# KiCad board CPU2908C3.kicad_pcb (continued)
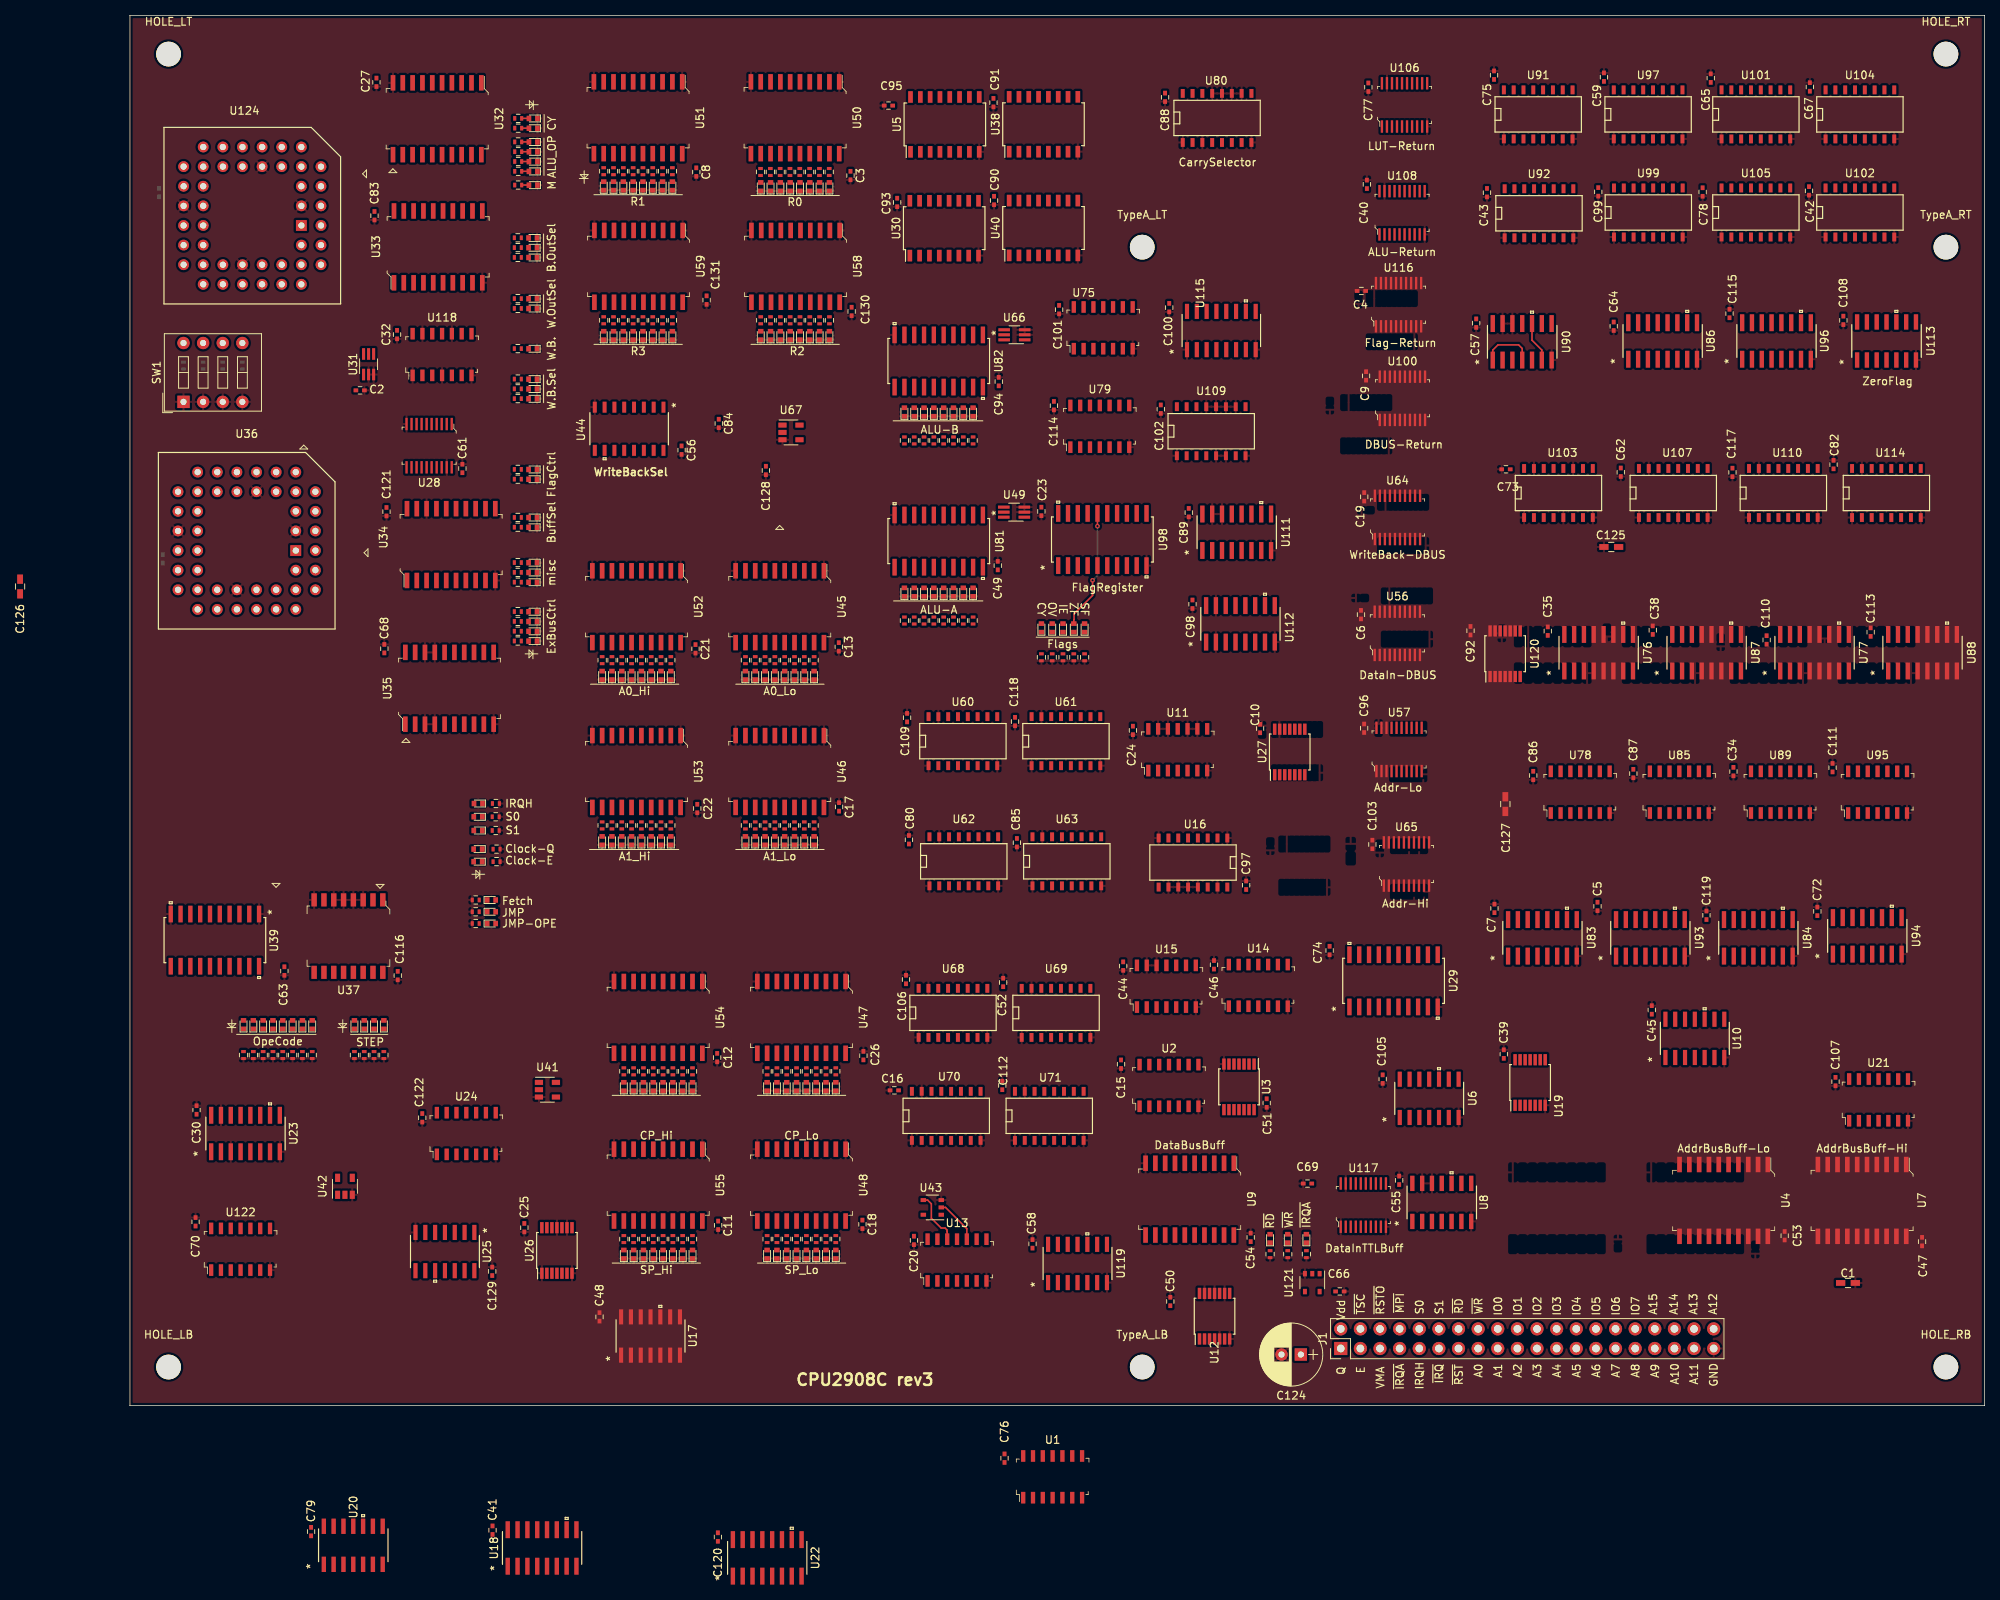
[diagram p0: board, top side]
## Nets (continued)
/Executer/WRO9: U65.3 U68.9 U89.5
/Executer/WRO10: U65.4 U69.7 U89.10
/Executer/WRO11: U65.5 U69.9 U89.13
/Executer/WRO12: U65.6 U70.7 U95.2
/Executer/WRO13: U65.7 U70.9 U95.5
/Executer/WRO14: U65.8 U71.7 U95.10
/Executer/WRO15: U65.9 U71.9 U95.13
/Executer/~{A-Active}: U66.4 U82.1
/Executer/~{B-Active}: U49.4 U81.1
/IO0: J1.18 U9.12 U117.2
/IO1: J1.20 U9.13 U117.3
/IO2: J1.22 U9.14 U117.4
/IO3: J1.24 U9.15 U117.5
/IO4: J1.26 U9.16 U117.6
/IO5: J1.28 U9.17 U117.7
/IO6: J1.30 U9.18 U117.8
/IO7: J1.32 U9.19 U117.9
/IRQH: J1.9 U10.5 U14.2
/nE: U3.2 U25.3 U29.11 U32.11 U33.11 U34.11 U35.11 U44.4
/nQ: U3.6 U21.2 U98.11
/Q: D160.2 U2.6 U25.11 U44.5 U81.11 U82.11
/S0: J1.10 S0.2 U13.1 U14.4 U17.9 U22.3 U122.1
/S1: J1.12 S1.2 U13.5 U14.5 U17.5 U22.6
/Sequencer/BROM/A0: D148.2 U36.24 U37.14 U124.24
/Sequencer/BROM/A1: D149.2 U36.25 U37.13 U124.25
/Sequencer/BROM/A2: D150.2 U36.26 U37.12 U124.26
/Sequencer/BROM/A3: D151.2 U36.27 U37.11 U124.27
/Sequencer/BROM/A4: D152.2 U36.28 U39.19 U124.28
/Sequencer/BROM/A5: D153.2 U36.29 U39.18 U124.29
/Sequencer/BROM/A6: D154.2 U36.30 U39.17 U124.30
/Sequencer/BROM/A7: D155.2 U36.31 U39.16 U124.31
/Sequencer/BROM/A8: D156.2 U36.32 U39.15 U124.32
/Sequencer/BROM/A9: D157.2 U36.35 U39.14 U124.35
/Sequencer/BROM/A10: D158.2 U36.36 U39.13 U124.36
/Sequencer/BROM/A11: D159.2 U36.37 U39.12 U124.37
/Sequencer/BROM/A12: R150.2 SW1.8 U36.38 U124.38
/Sequencer/BROM/A13: R149.2 SW1.7 U36.39 U124.39
/Sequencer/BROM/A14: R148.2 SW1.6 U36.40 U124.40
/Sequencer/BROM/A15: R129.2 SW1.5 U36.41 U124.41
/Sequencer/BROM/load: U25.9 U37.9 U39.11
/Sequencer/BROM/update: U24.8 U37.2
/Sequencer/CY: D28.2 U16.6 U80.6 U98.2 U116.2
/Sequencer/D0: U32.3 U124.21
/Sequencer/D1: U32.4 U124.20
/Sequencer/D2: U32.7 U124.19
/Sequencer/D3: U32.8 U124.18
/Sequencer/D4: U32.13 U124.17
/Sequencer/D5: U32.14 U124.16
/Sequencer/D6: U32.17 U124.15
/Sequencer/D7: U32.18 U124.14
/Sequencer/D8: U33.3 U124.11
/Sequencer/D9: U33.4 U124.10
/Sequencer/D10: U28.2 U33.7 U124.9
/Sequencer/D11: U28.3 U33.8 U124.8
/Sequencer/D12: U28.4 U118.9 U124.7
/Sequencer/D13: U28.5 U33.14 U124.6
/Sequencer/D14: U28.6 U33.17 U124.5
/Sequencer/D15: U28.7 U33.18 U124.4
/Sequencer/D16: U28.8 U34.3 U36.21
/Sequencer/D17: U28.9 U36.20 U118.12
/Sequencer/D18: U34.7 U36.19
/Sequencer/D19: U34.8 U36.18
/Sequencer/D20: U34.13 U36.17
/Sequencer/D21: U34.14 U36.16
/Sequencer/D22: U34.17 U36.15
/Sequencer/D23: U36.14 U118.5
/Sequencer/D23B: U19.13 U24.13 U29.1 U31.6 U118.6
/Sequencer/D24: U36.11
/Sequencer/D25: U36.10
/Sequencer/D26: U35.7 U36.9
/Sequencer/D27: U35.8 U36.8
/Sequencer/D28: U35.13 U36.7
/Sequencer/D29: U35.14 U36.6
/Sequencer/D30: U36.5
/Sequencer/D31: U36.4 U118.2
/Sequencer/D31B: D185.2 U25.2 U25.12 U118.3
/Sequencer/DO0: U28.18 U29.19 U56.2
/Sequencer/DO1: U28.17 U29.18 U56.3
/Sequencer/DO2: U28.16 U29.17 U56.4
/Sequencer/DO3: U28.15 U29.16 U56.5
/Sequencer/DO4: U28.14 U29.15 U56.6
/Sequencer/DO5: U28.13 U29.14 U56.7
/Sequencer/DO6: U28.12 U29.13 U56.8
/Sequencer/DO7: U28.11 U29.12 U56.9
/Sequencer/DO_JUMP: D182.2 U15.8 U26.3
/Sequencer/FlagIn3: D29.2 U11.1 U16.5 U98.9 U116.5
/Sequencer/FlagIn6: D31.2 U15.2 U16.4 U98.16 U116.8
/Sequencer/FlagIn7: D32.2 U11.2 U16.3 U98.19 U116.9
/Sequencer/JG: U20.10 U41.4
/Sequencer/JL: U11.3 U15.1 U20.4
/Sequencer/JUMP_OP: D183.2 U13.11 U18.1
/Sequencer/OP4: U18.4 U23.2
/Sequencer/OP5: U18.7 U23.5
/Sequencer/OP6: U18.12 U23.14
/Sequencer/OP7: U18.9 U23.11
/Sequencer/OpeCode0: U22.4 U39.2
/Sequencer/OpeCode1: U22.7 U39.3
/Sequencer/OpeCode2: U22.12 U39.4
/Sequencer/OpeCode3: U22.9 U39.5
/Sequencer/OpeCode4: U23.4 U39.6
/Sequencer/OpeCode5: U23.7 U39.7
/Sequencer/OpeCode6: U23.12 U39.8
/Sequencer/OpeCode7: U23.9 U39.9
/Sequencer/RegCtrl20: R21.2 U34.12
/TSC: U3.4 U4.1 U7.1 U8.1 U8.4 U8.10
/VMA: J1.5 U121.4
/~{clkQ}: U6.3
/~{IRQA}: J1.7 U8.3
/~{IRQ}: J1.11 U10.2
/~{RD}: J1.14 U8.8
/~{Reset}: J1.13 U1.13 U6.1 U6.13 U17.1 U17.13 U21.1 U25.10 U32.1 U33.1 U34.1 U35.1 U119.1 U119.13
/~{TSC}: J1.4 U1.12
/~{WR}: J1.16 U8.6
Net-(D1-Pad2): D1.2 R1.1
Net-(D2-Pad2): D2.2 R2.1
Net-(D3-Pad2): D3.2 R3.1
Net-(D4-Pad2): D4.2 R4.1
Net-(D5-Pad2): D5.2 R5.1
Net-(D6-Pad2): D6.2 R6.1
Net-(D7-Pad2): D7.2 R7.1
Net-(D8-Pad2): D8.2 R8.1
Net-(D9-Pad2): D9.2 R9.1
Net-(D10-Pad2): D10.2 R10.1
Net-(D11-Pad2): D11.2 R11.1
Net-(D12-Pad2): D12.2 R12.1
Net-(D13-Pad2): D13.2 R13.1
Net-(D14-Pad2): D14.2 R14.1
Net-(D15-Pad2): D15.2 R15.1
Net-(D16-Pad2): D16.2 R16.1
Net-(D17-Pad2): D17.2 R17.1
Net-(D18-Pad2): D18.2 R18.1
Net-(D19-Pad2): D19.2 R19.1
Net-(D20-Pad2): D20.2 R20.1
Net-(D21-Pad2): D21.2 R21.1
Net-(D22-Pad2): D22.2 R22.1
Net-(D23-Pad2): D23.2 R23.1
Net-(D24-Pad2): D24.2 R24.1
Net-(D25-Pad2): D25.2 R25.1
Net-(D26-Pad2): D26.2 R26.1
Net-(D27-Pad2): D27.2 R27.1
Net-(D28-Pad1): D28.1 R28.2
Net-(D29-Pad1): D29.1 R29.2
Net-(D30-Pad1): D30.1 R30.2
Net-(D31-Pad1): D31.1 R31.2
Net-(D32-Pad1): D32.1 R32.2
Net-(D33-Pad2): D33.2 R33.1
Net-(D34-Pad2): D34.2 R34.1
Net-(D35-Pad2): D35.2 R35.1
Net-(D36-Pad2): D36.2 R36.1
Net-(D37-Pad2): D37.2 R37.1
Net-(D38-Pad2): D38.2 R38.1
Net-(D39-Pad2): D39.2 R39.1
Net-(D40-Pad2): D40.2 R40.1
Net-(D41-Pad2): D41.2 R41.1
Net-(D42-Pad2): D42.2 R42.1
Net-(D43-Pad2): D43.2 R43.1
Net-(D44-Pad2): D44.2 R44.1
Net-(D45-Pad2): D45.2 R45.1
Net-(D46-Pad2): D46.2 R46.1
Net-(D47-Pad2): D47.2 R47.1
Net-(D48-Pad2): D48.2 R48.1
Net-(D49-Pad2): D49.2 R49.1
Net-(D50-Pad2): D50.2 R50.1
Net-(D51-Pad2): D51.2 R51.1
Net-(D52-Pad2): D52.2 R52.1
Net-(D53-Pad2): D53.2 R53.1
Net-(D54-Pad2): D54.2 R54.1
Net-(D55-Pad2): D55.2 R55.1
Net-(D56-Pad2): D56.2 R56.1
Net-(D57-Pad2): D57.2 R57.1
Net-(D58-Pad2): D58.2 R58.1
Net-(D59-Pad2): D59.2 R59.1
Net-(D60-Pad2): D60.2 R60.1
Net-(D61-Pad2): D61.2 R61.1
Net-(D62-Pad2): D62.2 R62.1
Net-(D63-Pad2): D63.2 R63.1
Net-(D64-Pad2): D64.2 R64.1
Net-(D65-Pad2): D65.2 R65.1
Net-(D66-Pad2): D66.2 R66.1
Net-(D67-Pad2): D67.2 R67.1
Net-(D68-Pad2): D68.2 R68.1
Net-(D69-Pad2): D69.2 R69.1
Net-(D70-Pad2): D70.2 R70.1
Net-(D71-Pad2): D71.2 R71.1
Net-(D72-Pad2): D72.2 R72.1
Net-(D73-Pad2): D73.2 R73.1
Net-(D74-Pad2): D74.2 R74.1
Net-(D75-Pad2): D75.2 R75.1
Net-(D76-Pad2): D76.2 R76.1
Net-(D77-Pad2): D77.2 R77.1
Net-(D78-Pad2): D78.2 R78.1
Net-(D79-Pad2): D79.2 R79.1
Net-(D80-Pad2): D80.2 R80.1
Net-(D81-Pad2): D81.2 R81.1
Net-(D82-Pad2): D82.2 R82.1
Net-(D83-Pad2): D83.2 R83.1
Net-(D84-Pad2): D84.2 R84.1
Net-(D85-Pad2): D85.2 R85.1
Net-(D86-Pad2): D86.2 R86.1
Net-(D87-Pad2): D87.2 R87.1
Net-(D88-Pad2): D88.2 R88.1
Net-(D89-Pad2): D89.2 R89.1
Net-(D90-Pad2): D90.2 R90.1
Net-(D91-Pad2): D91.2 R91.1
Net-(D92-Pad2): D92.2 R92.1
Net-(D93-Pad2): D93.2 R93.1
Net-(D94-Pad2): D94.2 R94.1
Net-(D95-Pad2): D95.2 R95.1
Net-(D96-Pad2): D96.2 R96.1
Net-(D97-Pad2): D97.2 R97.1
Net-(D98-Pad2): D98.2 R98.1
Net-(D99-Pad2): D99.2 R99.1
Net-(D100-Pad2): D100.2 R100.1
Net-(D101-Pad2): D101.2 R101.1
Net-(D102-Pad2): D102.2 R102.1
Net-(D103-Pad2): D103.2 R103.1
Net-(D104-Pad2): D104.2 R104.1
Net-(D105-Pad2): D105.2 R105.1
Net-(D106-Pad2): D106.2 R106.1
Net-(D107-Pad2): D107.2 R107.1
Net-(D108-Pad2): D108.2 R108.1
Net-(D109-Pad2): D109.2 R109.1
Net-(D110-Pad2): D110.2 R110.1
Net-(D111-Pad2): D111.2 R111.1
Net-(D112-Pad2): D112.2 R112.1
Net-(D113-Pad2): D113.2 R113.1
Net-(D114-Pad2): D114.2 R114.1
Net-(D115-Pad2): D115.2 R115.1
Net-(D116-Pad2): D116.2 R116.1
Net-(D117-Pad2): D117.2 R117.1
Net-(D118-Pad2): D118.2 R118.1
Net-(D119-Pad2): D119.2 R119.1
Net-(D120-Pad2): D120.2 R120.1
Net-(D121-Pad2): D121.2 R121.1
Net-(D122-Pad2): D122.2 R122.1
Net-(D123-Pad2): D123.2 R123.1
Net-(D124-Pad2): D124.2 R124.1
Net-(D125-Pad2): D125.2 R125.1
Net-(D126-Pad2): D126.2 R126.1
Net-(D127-Pad2): D127.2 R127.1
Net-(D128-Pad2): D128.2 R128.1
Net-(D129-Pad2): D129.2 R130.1
Net-(D130-Pad2): D130.2 R131.1
Net-(D131-Pad2): D131.2 R132.1
Net-(D132-Pad2): D132.2 R133.1
Net-(D133-Pad2): D133.2 R134.1
Net-(D134-Pad2): D134.2 R135.1
Net-(D135-Pad2): D135.2 R136.1
Net-(D136-Pad2): D136.2 R137.1
Net-(D137-Pad2): D137.2 R138.1
Net-(D138-Pad2): D138.2 R139.1
Net-(D139-Pad2): D139.2 R140.1
Net-(D140-Pad2): D140.2 R141.1
Net-(D141-Pad2): D141.2 R142.1
Net-(D142-Pad2): D142.2 R143.1
Net-(D143-Pad2): D143.2 R144.1
Net-(D144-Pad2): D144.2 R145.1
Net-(D145-Pad1): D145.1 R172.2
Net-(D145-Pad2): D145.2 U6.8 U8.2
Net-(D146-Pad1): D146.1 R173.2
Net-(D146-Pad2): D146.2 U8.5 U119.6
Net-(D147-Pad1): D147.1 R174.2
Net-(D147-Pad2): D147.2 U8.9 U119.8
Net-(D148-Pad1): D148.1 R175.2
Net-(D149-Pad1): D149.1 R176.2
Net-(D150-Pad1): D150.1 R177.2
Net-(D151-Pad1): D151.1 R178.2
Net-(D152-Pad1): D152.1 R179.2
Net-(D153-Pad1): D153.1 R180.2
Net-(D154-Pad1): D154.1 R181.2
Net-(D155-Pad1): D155.1 R182.2
Net-(D156-Pad1): D156.1 R183.2
Net-(D157-Pad1): D157.1 R184.2
Net-(D158-Pad1): D158.1 R185.2
Net-(D159-Pad1): D159.1 R186.2
Net-(D160-Pad1): D160.1 R146.2
Net-(D161-Pad1): D161.1 R147.2
Net-(D182-Pad1): D182.1 R187.2
Net-(D183-Pad1): D183.1 R188.2
Net-(D184-Pad1): D184.1 R189.2
Net-(D184-Pad2): D184.2 U17.3 U17.11 U25.6
Net-(D185-Pad1): D185.1 R190.2
Net-(J1-Pad6): J1.6
Net-(J1-Pad8): J1.8
Net-(R170-Pad2): R170.2 S0.1
Net-(R171-Pad2): R171.2 S1.1
Net-(U1-Pad3): U1.3 U6.12
Net-(U1-Pad5): U1.5 U3.10
Net-(U1-Pad6): U1.6 U6.2 U119.2
Net-(U1-Pad8): U1.8 U119.12
Net-(U1-Pad9): U1.9 U3.8
Net-(U1-Pad11): U1.11 U3.3
Net-(U2-Pad8): U2.8 U4.11 U7.11
Net-(U2-Pad11): U2.11 U9.11
Net-(U3-Pad12): U3.12
Net-(U6-Pad5): U6.5
Net-(U6-Pad9): U6.9
Net-(U8-Pad11): U8.11
Net-(U10-Pad1): U10.1 U12.2
Net-(U10-Pad6): U10.6
Net-(U10-Pad8): U10.8
Net-(U10-Pad9): U10.9
Net-(U11-Pad4): U11.4 U16.7
Net-(U11-Pad5): U11.5 U19.2
Net-(U11-Pad6): U11.6 U13.9
Net-(U11-Pad8): U11.8
Net-(U11-Pad11): U11.11
Net-(U12-Pad1): U12.1 U13.6
Net-(U12-Pad3): U12.3 U14.6 U24.2
Net-(U12-Pad4): U12.4 U17.12
Net-(U12-Pad6): U12.6
Net-(U12-Pad8): U12.8
Net-(U12-Pad10): U12.10
Net-(U12-Pad12): U12.12
Net-(U13-Pad2): U13.2 U17.6 U24.4
Net-(U13-Pad3): U13.3 U24.1
Net-(U13-Pad4): U13.4 U17.8 U24.5
Net-(U13-Pad8): U13.8 U15.9
Net-(U13-Pad10): U13.10 U19.4 U43.2
Net-(U13-Pad12): U13.12 U43.4
Net-(U13-Pad13): U13.13 U14.8
Net-(U14-Pad9): U14.9 U19.6
Net-(U15-Pad3): U15.3 U41.2
Net-(U15-Pad4): U15.4 U20.6
Net-(U15-Pad5): U15.5 U20.8
Net-(U15-Pad10): U15.6 U15.10
Net-(U15-Pad11): U15.11
Net-(U16-Pad9): U16.9
Net-(U17-Pad2): U17.2 U24.3
Net-(U18-Pad3): U18.3 U26.4
Net-(U19-Pad12): U19.12 U28.1
Net-(U20-Pad1): U20.1 U26.6
Net-(U20-Pad2): U20.2 U26.12
Net-(U20-Pad11): U20.11 U42.4
Net-(U20-Pad12): U20.3 U20.9 U20.12 U43.1
Net-(U21-Pad3): U21.3 U24.9 U25.1
Net-(U22-Pad1): U22.1 U23.1 U24.6
Net-(U24-Pad11): U24.11 U34.4
Net-(U25-Pad5): U25.5
Net-(U25-Pad8): U25.8
Net-(U26-Pad2): U26.2
Net-(U26-Pad8): U26.8
Net-(U26-Pad10): U26.10
Net-(U27-Pad2): U27.2 U78.1 U78.4 U78.9 U78.12 U85.1 U85.4 U85.9 U85.12
Net-(U27-Pad3): U27.3 U79.6
Net-(U27-Pad4): U27.4 U75.9 U75.13
Net-(U27-Pad10): U27.10 U79.12
Net-(U27-Pad12): U27.12 U89.1 U89.4 U89.9 U89.12 U95.1 U95.4 U95.9 U95.12
Net-(U31-Pad4): U31.4 U33.13
Net-(U34-Pad19): U34.19
Net-(U35-Pad2): U35.2
Net-(U35-Pad5): U35.5
Net-(U35-Pad16): U35.16
Net-(U35-Pad19): U35.19
Net-(U36-Pad1): U36.1
Net-(U36-Pad2): U36.2
Net-(U36-Pad13): U36.13
Net-(U36-Pad23): U36.23
Net-(U36-Pad33): U36.33
Net-(U36-Pad42): U36.42
Net-(U37-Pad15): U37.15
Net-(U75-Pad3): U75.3 U77.1 U88.1
Net-(U75-Pad6): U75.6 U79.1
Net-(U76-Pad4): U76.4 U83.5
Net-(U76-Pad7): U76.7 U83.3
Net-(U76-Pad9): U76.9 U83.12
Net-(U76-Pad12): U76.12 U83.14
Net-(U77-Pad4): U77.4 U84.5
Net-(U77-Pad7): U77.7 U84.3
Net-(U77-Pad9): U77.9 U84.12
Net-(U77-Pad12): U77.12 U84.14
Net-(U79-Pad9): U79.9 U90.8
Net-(U79-Pad10): U79.10 U90.3
Net-(U80-Pad9): U80.9
Net-(U83-Pad9): U83.9 U93.7
Net-(U84-Pad7): U84.7 U93.9
Net-(U84-Pad9): U84.9 U94.7
Net-(U86-Pad7): U86.7 U96.9
Net-(U87-Pad4): U87.4 U93.5
Net-(U87-Pad7): U87.7 U93.3
Net-(U87-Pad9): U87.9 U93.12
Net-(U87-Pad12): U87.12 U93.14
Net-(U88-Pad4): U88.4 U94.5
Net-(U88-Pad7): U88.7 U94.3
Net-(U88-Pad9): U88.9 U94.12
Net-(U88-Pad12): U88.12 U94.14
Net-(U90-Pad10): U90.6 U90.10
Net-(U90-Pad11): U90.11
Net-(U91-Pad9): U91.9
Net-(U92-Pad9): U92.9
Net-(U94-Pad9): U94.9
Net-(U97-Pad9): U97.9
Net-(U99-Pad9): U99.9
Net-(U100-Pad1): U100.1 U115.4
Net-(U101-Pad9): U101.9
Net-(U102-Pad9): U102.9
Net-(U103-Pad2): U75.11 U79.13 U103.2 U107.2 U110.2 U114.2
Net-(U103-Pad14): U27.11 U75.8 U103.14 U107.14 U110.14 U114.14
Net-(U104-Pad9): U104.9
Net-(U105-Pad9): U105.9
Net-(U106-Pad1): U106.1 U115.5
Net-(U108-Pad1): U108.1 U115.6
Net-(U109-Pad4): U86.9 U109.4
Net-(U109-Pad9): U109.9
Net-(U109-Pad14): U79.11 U109.14
Net-(U111-Pad4): U98.3 U111.4
Net-(U111-Pad7): U98.4 U111.7
Net-(U111-Pad9): U98.8 U111.9
Net-(U111-Pad12): U98.7 U111.12
Net-(U112-Pad4): U98.13 U112.4
Net-(U112-Pad7): U98.14 U112.7
Net-(U112-Pad9): U98.18 U112.9
Net-(U112-Pad12): U98.17 U112.12
Net-(U113-Pad1): U113.1
Net-(U113-Pad6): U113.6
Net-(U113-Pad8): U113.8
Net-(U115-Pad7): U115.7 U116.1
Net-(U115-Pad9): U64.1 U115.9
Net-(U115-Pad10): U56.1 U115.10
Net-(U115-Pad11): U65.1 U115.11
Net-(U115-Pad12): U57.1 U115.12
Net-(U118-Pad8): U31.1 U118.8
Net-(U118-Pad11): U24.12 U118.11
Net-(U119-Pad5): U119.5
Net-(U119-Pad9): U119.9
Net-(U120-Pad1): U79.3 U120.1 U120.3
Net-(U120-Pad6): U120.6
Net-(U120-Pad8): U120.8
Net-(U120-Pad10): U120.10
Net-(U120-Pad12): U75.4 U120.12
Net-(U122-Pad2): U122.2
Net-(U122-Pad3): U122.3
Net-(U124-Pad1): U124.1
Net-(U124-Pad2): U124.2
Net-(U124-Pad13): U124.13
Net-(U124-Pad23): U124.23
Net-(U124-Pad33): U124.33
Net-(U124-Pad42): U124.42

Pads without a net: U14 3 11; U19 8 9 10 11; U21 4 5 6 8 9 10 11 12 13; U27 5 6 8 9; U41 1; U42 1; U67 1; U122 4 5 6 8 9 10 11 12 13

## Via types
v1: diameter 0.6, hole 0.3, Top to Bottom, 2 vias

## Routing (per net, layer and track width the routed paths; a pad name or vN(x,y) marks a point on that pad's centre or on a via; arc(x,y) is an arc through that point)
/Executer/ALU_A7: length 7.1
  Top w0.2: U90.4 180.17,136.88 179.71,137.35 177.03,137.35 176.36,136.67 U90.1
/Sequencer/FlagIn6: length 15.5
  Top w0.2: D31.2 122.14,101.75 122.18,101.79 122.18,102.5 124.57,104.9 v1(124.57,106.86) ; U98.16 v1(125.2,113.87)
  Bottom w0.2: v1(124.57,106.86) 125.2,107.49 v1(125.2,113.87)
Net-(D1-Pad2): length 0.9
  Top w0.2: R1.1 51.64,166.68
Net-(D2-Pad2): length 0.9
  Top w0.2: R2.1 51.56,165.41
Net-(D3-Pad2): length 0.9
  Top w0.2: R3.1 51.56,163.63
Net-(D4-Pad2): length 0.9
  Top w0.2: R4.1 51.56,162.36
Net-(D5-Pad2): length 0.9
  Top w0.2: R5.1 51.56,161.09
Net-(D6-Pad2): length 0.8
  Top w0.2: R6.1 51.55,159.82
Net-(D7-Pad2): length 0.8
  Top w0.2: R7.1 51.53,158.04
Net-(U13-Pad10): length 5.8
  Top w0.2: U43.2 105.55,25.67 108.3,22.91 U13.10
Net-(U13-Pad12): length 7
  Top w0.2: 105.76,21.55 105.76,22.5 105.74,22.52 105.74,22.75 105.49,23 104.98,23 103.71,24.27 103.71,26.13 103.23,26.62 U43.4
Net-(U90-Pad10): length 5.3
  Top w0.2: U90.10 181.44,137.94 182.71,136.67 U90.6

## Copper pours and planes (outline as drawn; the poured copper is in the pictures)
+5V on Bottom: 241.16,0.18 10.27,0.06 10.27,2.59 11.16,3.48 123.29,3.48 124.45,2.21 149.85,2.21 150.25,2.81 150.25,11.13 152.12,12.25 156.94,12.25 157.7,11.61 157.7,9.45 157.75,8.52 157.75,2.81 158.45,1.98 229.08,1.96 236.84,1.96 238.37,3.48 238.37,6.41 237.84,7.04 237.48,170.24 238.11,170.87 238.11,177.09 236.97,178.24 232.14,178.24 230.37,176.2 39.61,176.46 34.02,176.46 32.37,178.11 32.37,181.16 47.85,181.03 47.85,181.16 241.54,181.28
GND on Top: -1.48,181.46 -1.46,-1.33 241.77,-1.04 241.79,181.39

## Text on the board
F.SilkS: Fetch | JMP | JMP-OPE | Clock-Q | Clock-E | OpeCode | STEP | S0 | S1 | IRQH | A0_Hi | A1_Hi | R1 | R3 | CP_Hi | SP_Hi | A1_Lo | A0_Lo | R0 | R2 | CP_Lo | SP_Lo | ALU-A | ALU-B | Flags | FlagRegister | DataBusBuff | CarrySelector | DataInTTLBuff | WriteBack-DBUS | DataIn-DBUS | Addr-Lo | Flag-Return | LUT-Return | ALU-Return | DBUS-Return | Addr-Hi | AddrBusBuff-Lo | AddrBusBuff-Hi | ZeroFlag | B.OutSel | W.OutSel | W.B. | W.B.Sel | FlagCtrl | BuffSel | misc | ExBusCtrl | CY | ALU_OP | M | ~{RD} | ~{WR} | ~{IRQA} | Vdd | Q | ~{TSC} | E | ~{RSTO} | VMA | ~{MPI} | ~{IRQ} | ~{RST} | A0 | IO0 | A1 | IO1 | A2 | IO2 | A3 | IO3 | A4 | IO4 | A5 | IO5 | A6 | IO6 | A7 | IO7 | A8 | A15 | A9 | A14 | A10 | A13 | A11 | A12 | GND | OV | IE | ZF | SF | WriteBackSel | CPU2908C rev3
